# KiCad board nyx.kicad_pcb (continued)
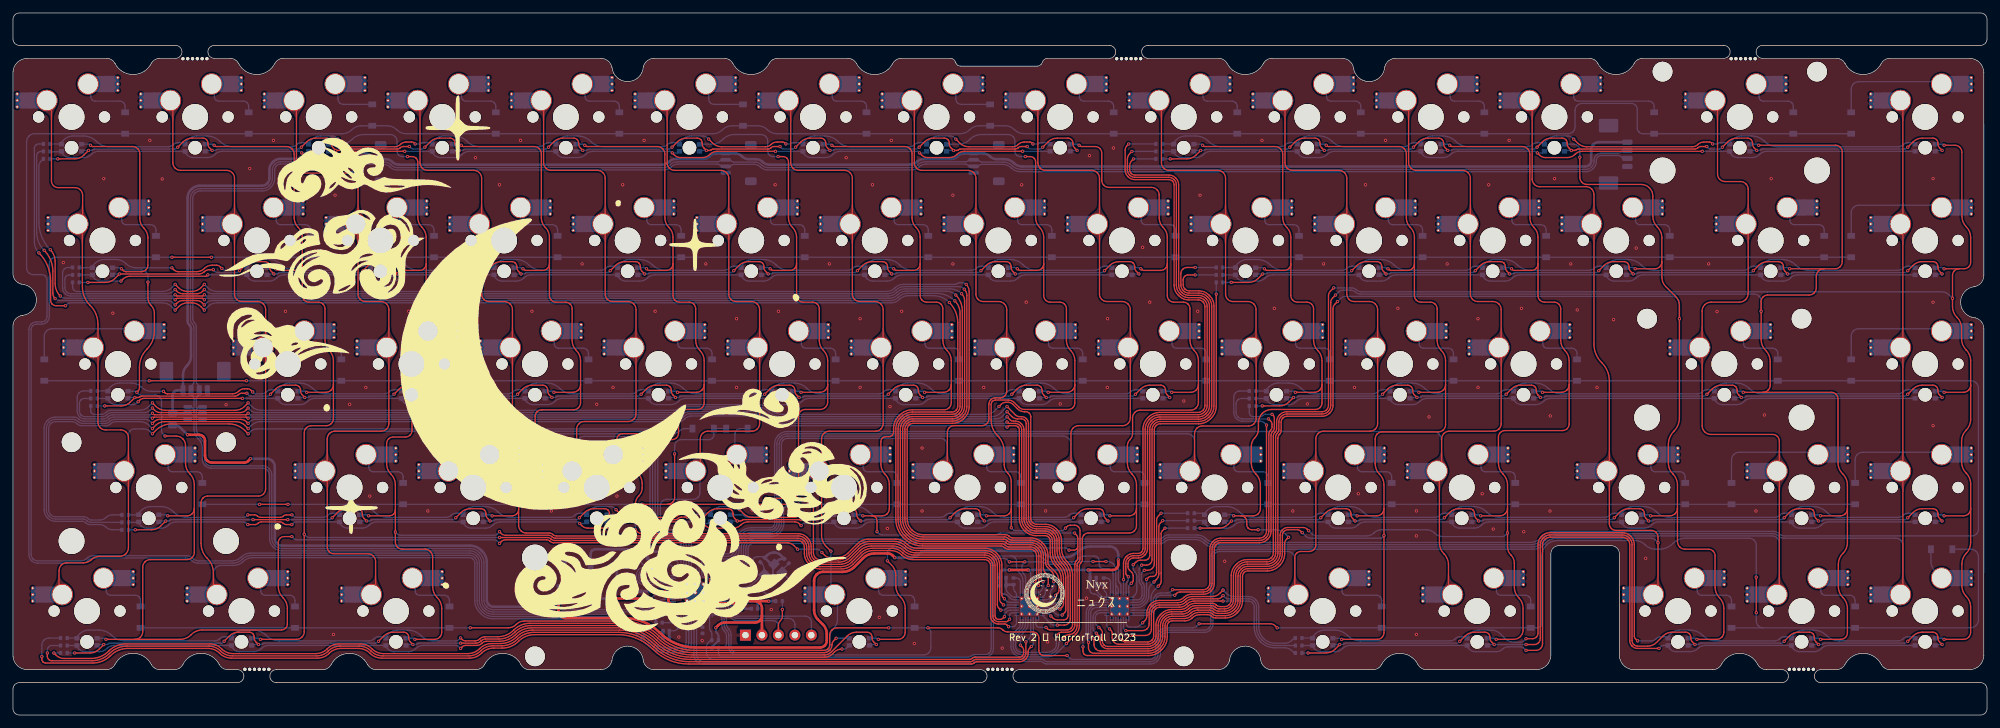
[diagram p0: board, top side]
## Footprints (pads in the part's own frame, mm; a bottom-side part is the same pattern mirrored in y, then rotated)
C_0402_1005Metric
  rrect 0.56x0.62 smd: 1(-0.48,0) 2(0.48,0)
Crystal_SMD_3225-4Pin_3.2x2.5mm
  rect 1.4x1.2 smd: 1(-1.1,-0.85) 2(1.1,-0.85) 3(1.1,0.85) 4(-1.1,0.85)
D_SOD-123
  rect 0.9x1.2 smd: 1(-1.65,0) 2(1.65,0)
Fuse_0805_2012Metric
  rrect 0.975x1.4 smd: 1(-0.938,0) 2(0.938,0)
IS31FL3729-QF
  rrect 1.26x1.26 smd: (-0.725,-0.725) (-0.725,0.725) (0.725,-0.725) (0.725,0.725)
  rrect 0.7x0.2 smd: 1(-2,1.4) 2(-2,1) 3(-2,0.6) 4(-2,0.2) 5(-2,-0.2) 6(-2,-0.6) 7(-2,-1) 8(-2,-1.4) 17(2,-1.4) 18(2,-1) 19(2,-0.6) 20(2,-0.2) 21(2,0.2) 22(2,0.6) 23(2,1) 24(2,1.4)
  rrect 0.2x0.7 smd: 9(-1.4,-2) 10(-1,-2) 11(-0.6,-2) 12(-0.2,-2) 13(0.2,-2) 14(0.6,-2) 15(1,-2) 16(1.4,-2) 25(1.4,2) 26(1,2) 27(0.6,2) 28(0.2,2) 29(-0.2,2) 30(-0.6,2) 31(-1,2) 32(-1.4,2)
  round 0.5 hole 0.2: 33(-1.2,-1.2) 33(-1.2,0) 33(-1.2,1.2) 33(0,-1.2) 33(0,0) 33(0,1.2) 33(1.2,-1.2) 33(1.2,0) 33(1.2,1.2)
  rect 2.9x2.9 smd: 33(0,0)
JST_SH_SM04B-SRSS-TB_1x04-1MP_P1.00mm_Horizontal
  rrect 0.6x1.55 smd: 1(-1.5,2) 2(-0.5,2) 3(0.5,2) 4(1.5,2)
  rrect 1.2x1.8 smd: MP(-2.8,-1.875) MP(2.8,-1.875)
LED_1206R
  round 2.1 hole 2.1 unplated: (0,0)
  rrect 0.8x0.7 smd: 1(-1.55,0.55) 2(-1.55,-0.55) 3(1.55,-0.55) 4(1.55,0.55)
Molex_PicoBlade_53261-0471_1x04-1MP_P1.25mm_Horizontal
  rrect 0.8x1.6 smd: 1(-1.875,2.4) 2(-0.625,2.4) 3(0.625,2.4) 4(1.875,2.4)
  rrect 2.1x3 smd: MP(-4.425,-0.5) MP(4.425,-0.5)
mousebites_2mm_big_width
  round 0.5 hole 0.5 unplated: (0.05,1.85) (0.05,1.11) (0.05,0.37) (0.05,-0.37) (0.05,-1.11) (0.05,-1.85)
PinHeader_1x05_P2.54mm_Vertical
  rect 1.7x1.7 hole 1: 1(0,0)
  oval 1.7x1.7 hole 1: 2(0,-2.54) 3(0,-5.08) 4(0,-7.62) 5(0,-10.16)
R_0402_1005Metric
  rrect 0.54x0.64 smd: 1(-0.51,0) 2(0.51,0)
RP2040-QFN-56
  rrect 1.084x1.084 smd: (-0.637,-0.637) (-0.637,0.637) (0.637,-0.637) (0.637,0.637)
  rrect 0.875x0.2 smd: 1(-3.438,2.6) 2(-3.438,2.2) 3(-3.438,1.8) 4(-3.438,1.4) 5(-3.438,1) 6(-3.438,0.6) 7(-3.438,0.2) 8(-3.438,-0.2) 9(-3.438,-0.6) 10(-3.438,-1) 11(-3.438,-1.4) 12(-3.438,-1.8) 13(-3.438,-2.2) 14(-3.438,-2.6) 29(3.438,-2.6) 30(3.438,-2.2) 31(3.438,-1.8) 32(3.438,-1.4) 33(3.438,-1) 34(3.438,-0.6) 35(3.438,-0.2) 36(3.438,0.2) 37(3.438,0.6) 38(3.438,1) 39(3.438,1.4) 40(3.438,1.8) 41(3.438,2.2) 42(3.438,2.6)
  rrect 0.2x0.875 smd: 15(-2.6,-3.438) 16(-2.2,-3.438) 17(-1.8,-3.438) 18(-1.4,-3.438) 19(-1,-3.438) 20(-0.6,-3.438) 21(-0.2,-3.438) 22(0.2,-3.438) 23(0.6,-3.438) 24(1,-3.438) 25(1.4,-3.438) 26(1.8,-3.438) 27(2.2,-3.438) 28(2.6,-3.438) 43(2.6,3.438) 44(2.2,3.438) 45(1.8,3.438) 46(1.4,3.438) 47(1,3.438) 48(0.6,3.438) 49(0.2,3.438) 50(-0.2,3.438) 51(-0.6,3.438) 52(-1,3.438) 53(-1.4,3.438) 54(-1.8,3.438) 55(-2.2,3.438) 56(-2.6,3.438)
  round 0.6 hole 0.35: 57(-1.275,-1.275) 57(-1.275,0) 57(-1.275,1.275) 57(0,-1.275) 57(0,0) 57(0,1.275) 57(1.275,-1.275) 57(1.275,0) 57(1.275,1.275)
  rrect 3.2x3.2 smd: 57(0,0)
SOT-23-6
  rrect 1.325x0.6 smd: 1(-1.137,0.95) 2(-1.137,0) 3(-1.137,-0.95) 4(1.137,-0.95) 5(1.137,0) 6(1.137,0.95)
STAB_MX_2.25u
  round 3.048 hole 3.048 unplated: (-11.906,6.985) (11.906,6.985)
  round 3.988 hole 3.988 unplated: (-11.906,-8.255) (11.906,-8.255)
STAB_MX_2u
  round 3.048 hole 3.048 unplated: (-11.906,6.985) (11.906,6.985)
  round 3.988 hole 3.988 unplated: (-11.906,-8.255) (11.906,-8.255)
STAB_MX_6.25u
  round 3.048 hole 3.048 unplated: (-50.006,6.985) (50.006,6.985)
  round 3.988 hole 3.988 unplated: (-50.006,-8.255) (50.006,-8.255)
SW_MX_HS_1.5u_socket
  round 1.75 hole 1.75 unplated: (-5.08,0) (5.08,0)
  round 3.988 hole 3.988 unplated: (0,0)
  round 3.3 hole 3: 1(3.81,2.54) 2(-2.54,5.08)
  rect 1.65x2.5 smd: 1(5.635,2.54) 2(-4.34,5.08)
  rrect 2.55x2.5 smd: 1(7.36,2.54) 2(-6.09,5.08)
  round 0.5 hole 0.25: 1(8.385,1.54) 1(8.385,2.54) 1(8.385,3.54) 2(-7.115,4.08) 2(-7.115,5.08) 2(-7.115,6.08)
SW_MX_HS_1.25u_socket
  round 1.75 hole 1.75 unplated: (-5.08,0) (5.08,0)
  round 3.988 hole 3.988 unplated: (0,0)
  round 3.3 hole 3: 1(3.81,2.54) 2(-2.54,5.08)
  rect 1.65x2.5 smd: 1(5.635,2.54) 2(-4.34,5.08)
  rrect 2.55x2.5 smd: 1(7.36,2.54) 2(-6.09,5.08)
  round 0.5 hole 0.25: 1(8.385,1.54) 1(8.385,2.54) 1(8.385,3.54) 2(-7.115,4.08) 2(-7.115,5.08) 2(-7.115,6.08)
SW_MX_HS_1.75u_socket
  round 1.75 hole 1.75 unplated: (-5.08,0) (5.08,0)
  round 3.988 hole 3.988 unplated: (0,0)
  round 3.3 hole 3: 1(3.81,2.54) 2(-2.54,5.08)
  rect 1.65x2.5 smd: 1(5.635,2.54) 2(-4.34,5.08)
  rrect 2.55x2.5 smd: 1(7.36,2.54) 2(-6.09,5.08)
  round 0.5 hole 0.25: 1(8.385,1.54) 1(8.385,2.54) 1(8.385,3.54) 2(-7.115,4.08) 2(-7.115,5.08) 2(-7.115,6.08)
SW_MX_HS_1u_socket
  round 1.75 hole 1.75 unplated: (-5.08,0) (5.08,0)
  round 3.988 hole 3.988 unplated: (0,0)
  round 3.3 hole 3: 1(3.81,2.54) 2(-2.54,5.08)
  rect 1.65x2.5 smd: 1(5.635,2.54) 2(-4.34,5.08)
  rrect 2.55x2.5 smd: 1(7.36,2.54) 2(-6.09,5.08)
  round 0.5 hole 0.25: 1(8.385,1.54) 1(8.385,2.54) 1(8.385,3.54) 2(-7.115,4.08) 2(-7.115,5.08) 2(-7.115,6.08)
SW_SPST_Litte_Turtle_2P
  rect 0.9x1.7 smd: 1(-2.05,0) 2(2.05,0)
USON-8_1.5x1.5mm_P0.45mm
  rrect 0.2x0.18 smd: 1(-0.65,0.6) 2(-0.65,0.2) 3(-0.65,-0.2) 4(-0.65,-0.6) 5(0.65,-0.6) 6(0.65,-0.2) 7(0.65,0.2) 8(0.65,0.6)
  round 0.5 hole 0.3: 9(0,0)
  rrect 0.7x1.3 smd: 9(0,0)
XC6206P332MR
  rect 1x0.8 smd: 1(-1.2,0.95) 2(-1.2,-0.95) 3(1.2,0)

## Nets
+1V1: C11.1 C12.1 C15.1 U3.23 U3.45 U3.50
+3V3: C2.1 C3.1 C4.1 C5.1 C6.1 C7.1 C8.1 C9.1 C10.1 C14.1 C18.1 J2.2 R3.1 R6.1 R7.1 RG1.2 U1.8 U3.1 U3.10 U3.22 U3.33 U3.42 U3.43 U3.44 U3.48 U3.49
+5V: C16.1 C17.1 C19.1 C20.1 C21.1 F1.2 RG1.3 U2.23 U2.29 U4.23 U4.29
GND: C1.2 C2.2 C3.2 C4.2 C5.2 C6.2 C7.2 C8.2 C9.2 C10.2 C11.2 C12.2 C13.2 C14.2 C15.2 C16.2 C17.2 C18.2 C19.2 C20.2 C21.2 ESD1.2 J1.4 J2.1 J3.4 J4.1 J5.4 J6.4 R8.2 R9.2 RG1.1 SW1.1 U1.4 U1.9 U2.9 U2.24 U2.28 U2.33 U3.19 U3.57 U4.9 U4.24 U4.33 Y1.2 Y1.4
VBUS: ESD1.5 F1.1 J1.1 J3.1 J4.4 J5.1 J6.1
/DM: ESD1.6 J1.2 J3.2 J4.3 J5.2 J6.2 R5.2
/DP: ESD1.1 J1.3 J3.3 J4.2 J5.3 J6.3 R4.2
/~{USB_BOOT}: R2.1 SW1.2
Col0: MX1.1 MX16.1 MX31.1 MX45.1 MX59.1 U3.5
Col1: MX2.1 MX17.1 MX32.1 MX60.1 U3.37
Col2: MX3.1 MX18.1 MX33.1 MX46.1 MX61.1 U3.4
Col3: MX4.1 MX19.1 MX34.1 MX47.1 U3.3
Col4: MX5.1 MX20.1 MX35.1 MX48.1 U3.2
Col5: MX6.1 MX21.1 MX36.1 MX49.1 U3.6
Col6: MX7.1 MX22.1 MX37.1 MX50.1 MX62.1 U3.27
Col7: MX8.1 MX23.1 MX38.1 MX51.1 U3.14
Col8: MX9.1 MX24.1 MX39.1 MX52.1 U3.13
Col9: MX10.1 MX25.1 MX40.1 MX53.1 U3.12
Col10: MX11.1 MX26.1 MX41.1 MX54.1 MX63.1 U3.36
Col11: MX12.1 MX27.1 MX42.1 MX55.1 MX64.1 U3.11
Col12: MX13.1 MX28.1 MX56.1 MX65.1 U3.35
Col13: MX14.1 MX29.1 MX43.1 MX57.1 MX66.1 U3.18
Col14: MX15.1 MX30.1 MX44.1 MX58.1 MX67.1 U3.17
CS1_1: R12.1 U2.30
CS1_2: R27.1 U4.30
CS2_1: R11.1 U2.31
CS2_2: R26.1 U4.31
CS3_1: R10.1 U2.32
CS3_2: R25.1 U4.32
CS4_1: R15.1 U2.1
CS4_2: R30.1 U4.1
CS5_1: R14.1 U2.2
CS5_2: R29.1 U4.2
CS6_1: R13.1 U2.3
CS6_2: R28.1 U4.3
CS7_1: R21.1 U2.4
CS7_2: R36.1 U4.4
CS8_1: R20.1 U2.5
CS8_2: R35.1 U4.5
CS9_1: R19.1 U2.6
CS9_2: R34.1 U4.6
CS10_1: R18.1 U2.7
CS10_2: R33.1 U4.7
CS11_1: R17.1 U2.8
CS11_2: R32.1 U4.8
CS12_1: R16.1 U2.10
CS12_2: R31.1 U4.10
CS13_1: R24.1 U2.11
CS13_2: R39.1 U4.11
CS14_1: R23.1 U2.12
CS14_2: R38.1 U4.12
CS15_1: R22.1 U2.13
CS15_2: R37.1 U4.13
D+: R4.1 U3.47
D-: R5.1 U3.46
FLASH_nCS: R2.2 U1.1 U3.56
FLASH_SCK: U1.6 U3.52
FLASH_SD0: U1.5 U3.53
FLASH_SD1: U1.2 U3.55
FLASH_SD2: U1.3 U3.54
FLASH_SD3: U1.7 U3.51
Row0: D1.1 D2.1 D3.1 D4.1 D5.1 D6.1 D7.1 D8.1 D9.1 D10.1 D11.1 D12.1 D13.1 D14.1 D15.1 U3.38
Row1: D16.1 D17.1 D18.1 D19.1 D20.1 D21.1 D22.1 D23.1 D24.1 D25.1 D26.1 D27.1 D28.1 D29.1 D30.1 U3.39
Row2: D31.1 D32.1 D33.1 D34.1 D35.1 D36.1 D37.1 D38.1 D39.1 D40.1 D41.1 D42.1 D43.1 D44.1 U3.16
Row3: D45.1 D46.1 D47.1 D48.1 D49.1 D50.1 D51.1 D52.1 D53.1 D54.1 D55.1 D56.1 D57.1 D58.1 U3.15
Row4: D59.1 D60.1 D61.1 D62.1 D63.1 D64.1 D65.1 D66.1 D67.1 U3.28
SCL: R6.2 U2.27 U3.30 U4.27 U4.28
SDA: R7.2 U2.26 U3.29 U4.26
SW1_1: LED1.1 LED16.1 LED31.1 LED45.1 LED59.1 U2.22
SW1_2: LED10.1 LED25.1 LED40.1 LED53.1 U4.22
SW2_1: LED6.1 LED21.1 LED36.1 LED49.1 U2.21
SW2_2: LED11.1 LED26.1 LED41.1 LED54.1 LED63.1 U4.21
SW3_1: LED5.1 LED20.1 LED35.1 LED48.1 U2.20
SW3_2: LED12.1 LED27.1 LED42.1 LED55.1 LED64.1 U4.20
SW4_1: LED4.1 LED19.1 LED34.1 LED47.1 U2.19
SW4_2: LED13.1 LED28.1 LED56.1 LED65.1 U4.19
SW5_1: LED3.1 LED18.1 LED33.1 LED46.1 LED61.1 U2.18
SW5_2: LED14.1 LED29.1 LED43.1 LED57.1 LED66.1 U4.18
SW6_1: LED2.1 LED17.1 LED32.1 LED60.1 U2.17
SW6_2: LED15.1 LED30.1 LED44.1 LED58.1 LED67.1 U4.17
SW7_1: LED9.1 LED24.1 LED39.1 LED52.1 U2.16
SW8_1: LED8.1 LED23.1 LED38.1 LED51.1 U2.15
SW9_1: LED7.1 LED22.1 LED37.1 LED50.1 LED62.1 U2.14
SWCLK: J2.5 U3.24
SWDIO: J2.4 U3.25
XTAL1: C1.1 U3.20 Y1.3
XTAL2: R1.1 U3.21
~{NRST}: J2.3 R3.2 U3.26
Net-(C13-Pad1): C13.1 R1.2 Y1.1
Net-(D1-A): D1.2 MX1.2
Net-(D2-A): D2.2 MX2.2
Net-(D3-A): D3.2 MX3.2
Net-(D4-A): D4.2 MX4.2
Net-(D5-A): D5.2 MX5.2
Net-(D6-A): D6.2 MX6.2
Net-(D7-A): D7.2 MX7.2
Net-(D8-A): D8.2 MX8.2
Net-(D9-A): D9.2 MX9.2
Net-(D10-A): D10.2 MX10.2
Net-(D11-A): D11.2 MX11.2
Net-(D12-A): D12.2 MX12.2
Net-(D13-A): D13.2 MX13.2
Net-(D14-A): D14.2 MX14.2
Net-(D15-A): D15.2 MX15.2
Net-(D16-A): D16.2 MX16.2
Net-(D17-A): D17.2 MX17.2
Net-(D18-A): D18.2 MX18.2
Net-(D19-A): D19.2 MX19.2
Net-(D20-A): D20.2 MX20.2
Net-(D21-A): D21.2 MX21.2
Net-(D22-A): D22.2 MX22.2
Net-(D23-A): D23.2 MX23.2
Net-(D24-A): D24.2 MX24.2
Net-(D25-A): D25.2 MX25.2
Net-(D26-A): D26.2 MX26.2
Net-(D27-A): D27.2 MX27.2
Net-(D28-A): D28.2 MX28.2
Net-(D29-A): D29.2 MX29.2
Net-(D30-A): D30.2 MX30.2
Net-(D31-A): D31.2 MX31.2
Net-(D32-A): D32.2 MX32.2
Net-(D33-A): D33.2 MX33.2
Net-(D34-A): D34.2 MX34.2
Net-(D35-A): D35.2 MX35.2
Net-(D36-A): D36.2 MX36.2
Net-(D37-A): D37.2 MX37.2
Net-(D38-A): D38.2 MX38.2
Net-(D39-A): D39.2 MX39.2
Net-(D40-A): D40.2 MX40.2
Net-(D41-A): D41.2 MX41.2
Net-(D42-A): D42.2 MX42.2
Net-(D43-A): D43.2 MX43.2
Net-(D44-A): D44.2 MX44.2
Net-(D45-A): D45.2 MX45.2
Net-(D46-A): D46.2 MX46.2
Net-(D47-A): D47.2 MX47.2
Net-(D48-A): D48.2 MX48.2
Net-(D49-A): D49.2 MX49.2
Net-(D50-A): D50.2 MX50.2
Net-(D51-A): D51.2 MX51.2
Net-(D52-A): D52.2 MX52.2
Net-(D53-A): D53.2 MX53.2
Net-(D54-A): D54.2 MX54.2
Net-(D55-A): D55.2 MX55.2
Net-(D56-A): D56.2 MX56.2
Net-(D57-A): D57.2 MX57.2
Net-(D58-A): D58.2 MX58.2
Net-(D59-A): D59.2 MX59.2
Net-(D60-A): D60.2 MX60.2
Net-(D61-A): D61.2 MX61.2
Net-(D62-A): D62.2 MX62.2
Net-(D63-A): D63.2 MX63.2
Net-(D64-A): D64.2 MX64.2
Net-(D65-A): D65.2 MX65.2
Net-(D66-A): D66.2 MX66.2
Net-(D67-A): D67.2 MX67.2
Net-(LED1-BK): LED1.2 LED2.2 LED3.2 LED4.2 LED5.2 LED6.2 LED7.2 LED8.2 LED9.2 R10.2
Net-(LED1-GK): LED1.3 LED2.3 LED3.3 LED4.3 LED5.3 LED6.3 LED7.3 LED8.3 LED9.3 R11.2
Net-(LED1-RK): LED1.4 LED2.4 LED3.4 LED4.4 LED5.4 LED6.4 LED7.4 LED8.4 LED9.4 R12.2
Net-(LED10-BK): LED10.2 LED11.2 LED12.2 LED13.2 LED14.2 LED15.2 R25.2
Net-(LED10-GK): LED10.3 LED11.3 LED12.3 LED13.3 LED14.3 LED15.3 R26.2
Net-(LED10-RK): LED10.4 LED11.4 LED12.4 LED13.4 LED14.4 LED15.4 R27.2
Net-(LED16-BK): LED16.2 LED17.2 LED18.2 LED19.2 LED20.2 LED21.2 LED22.2 LED23.2 LED24.2 R13.2
Net-(LED16-GK): LED16.3 LED17.3 LED18.3 LED19.3 LED20.3 LED21.3 LED22.3 LED23.3 LED24.3 R14.2
Net-(LED16-RK): LED16.4 LED17.4 LED18.4 LED19.4 LED20.4 LED21.4 LED22.4 LED23.4 LED24.4 R15.2
Net-(LED25-BK): LED25.2 LED26.2 LED27.2 LED28.2 LED29.2 LED30.2 R28.2
Net-(LED25-GK): LED25.3 LED26.3 LED27.3 LED28.3 LED29.3 LED30.3 R29.2
Net-(LED25-RK): LED25.4 LED26.4 LED27.4 LED28.4 LED29.4 LED30.4 R30.2
Net-(LED31-BK): LED31.2 LED32.2 LED33.2 LED34.2 LED35.2 LED36.2 LED37.2 LED38.2 LED39.2 R16.2
Net-(LED31-GK): LED31.3 LED32.3 LED33.3 LED34.3 LED35.3 LED36.3 LED37.3 LED38.3 LED39.3 R17.2
Net-(LED31-RK): LED31.4 LED32.4 LED33.4 LED34.4 LED35.4 LED36.4 LED37.4 LED38.4 LED39.4 R18.2
Net-(LED40-BK): LED40.2 LED41.2 LED42.2 LED43.2 LED44.2 R31.2
Net-(LED40-GK): LED40.3 LED41.3 LED42.3 LED43.3 LED44.3 R32.2
Net-(LED40-RK): LED40.4 LED41.4 LED42.4 LED43.4 LED44.4 R33.2
Net-(LED45-BK): LED45.2 LED46.2 LED47.2 LED48.2 LED49.2 LED50.2 LED51.2 LED52.2 R19.2
Net-(LED45-GK): LED45.3 LED46.3 LED47.3 LED48.3 LED49.3 LED50.3 LED51.3 LED52.3 R20.2
Net-(LED45-RK): LED45.4 LED46.4 LED47.4 LED48.4 LED49.4 LED50.4 LED51.4 LED52.4 R21.2
Net-(LED53-BK): LED53.2 LED54.2 LED55.2 LED56.2 LED57.2 LED58.2 R34.2
Net-(LED53-GK): LED53.3 LED54.3 LED55.3 LED56.3 LED57.3 LED58.3 R35.2
Net-(LED53-RK): LED53.4 LED54.4 LED55.4 LED56.4 LED57.4 LED58.4 R36.2
Net-(LED59-BK): LED59.2 LED60.2 LED61.2 LED62.2 R22.2
Net-(LED59-GK): LED59.3 LED60.3 LED61.3 LED62.3 R23.2
Net-(LED59-RK): LED59.4 LED60.4 LED61.4 LED62.4 R24.2
Net-(LED63-BK): LED63.2 LED64.2 LED65.2 LED66.2 LED67.2 R37.2
Net-(LED63-GK): LED63.3 LED64.3 LED65.3 LED66.3 LED67.3 R38.2
Net-(LED63-RK): LED63.4 LED64.4 LED65.4 LED66.4 LED67.4 R39.2
Net-(U2-ISET): R9.1 U2.25
Net-(U4-ISET): R8.1 U4.25

Pads without a net: ESD1 3 4; J1 MP; J3 MP; J4 MP; J5 MP; J6 MP; U3 7 8 9 31 32 34 40 41; U4 14 15 16

## Via types
v1: diameter 0.5, hole 0.25, Top to Bottom, 555 vias

## Routing (per net, layer and track width the routed paths; a pad name or vN(x,y) marks a point on that pad's centre or on a via; arc(x,y) is an arc through that point)
+1V1: length 27.7
  Top w0.4: v1(107.33,16.85) 107.59,17.11 arc(107.75,17.22) 107.95,17.25 110.87,17.25 arc(111.44,17.14) 111.92,16.82 v1(112.33,16.4) ; v1(102.89,17.08) 101.65,17.08 arc(101.42,17.13) 101.23,17.26 101.21,17.27 arc(101.08,17.47) 101.03,17.7 101.03,18.33 arc(100.98,18.61) 100.82,18.86 100.81,18.87 arc(100.56,19.03) 100.28,19.08 v1(98.4,19.08)
  Bottom w0.2: v1(112.33,16.4) 112.56,16.4 arc(112.08,16.5) 111.66,16.78 arc(111.49,17.03) 111.43,17.32 arc(111.36,17.67) 111.17,17.97 arc(110.82,18.2) 110.41,18.28 U3.23 ; 102.85,17.08 102.86,17.08 v1(102.89,17.08) 102.85,17.08 U3.45 101.31,17.08 arc(100.85,16.99) 100.46,16.73 100.43,16.7 arc(100.17,16.31) 100.08,15.86 C15.1 ; U3.50 v1(98.4,19.08)
  Bottom w0.4: 106.29,16.86 107.32,16.86 v1(107.33,16.85) ; C12.1 v1(98.4,19.08) ; v1(112.33,16.4) 113.56,16.4
+3V3: length 83.7
  Top w0.4: v1(92,17.97) v1(98.4,17.97) ; 115.46,15.3 115.46,16.47 arc(115.38,16.89) 115.14,17.25 115.14,17.25 arc(114.78,17.49) 114.36,17.57 ; 115.46,15.3 J2.2 ; 115.46,15.3 arc(115.38,14.91) 115.17,14.59 115.14,14.57 arc(114.82,14.35) 114.44,14.27 109.77,14.27 arc(109.2,14.16) 108.71,13.83 v1(108.35,13.47) ; 114.36,17.57 v1(116.5,17.57) ; 114.36,17.57 v1(112.8,17.57) ; v1(107.5,18.97) v1(107.5,20.87)
  Bottom w0.18: U1.8 97.32,23.17 arc(97.16,23.2) 97.03,23.29 97.01,23.32 arc(96.92,23.44) 96.89,23.6 C2.1
  Bottom w0.2: 100.65,18.68 100.83,18.5 arc(101.07,18.34) 101.36,18.28 U3.48 U3.49 100.65,18.68 ; 100.65,18.68 99.65,18.68 arc(99.15,18.59) 98.73,18.3 v1(98.4,17.97) ; 101.08,14.25 C14.1 ; 101.08,14.25 101.98,14.25 arc(102.22,14.3) 102.42,14.43 arc(102.54,14.62) 102.58,14.84 ; 101.08,14.25 arc(101.32,14.3) 101.52,14.43 arc(101.69,14.69) 101.75,14.99 U3.43 ; U3.43 U3.42 102.58,14.84 ; U3.43 U3.44 ; 102.58,21.39 102.58,23.09 arc(102.51,23.48) 102.29,23.8 C3.1 ; v1(107.5,20.87) 107.27,21.1 arc(107.19,21.15) 107.1,21.17 106.71,21.17 arc(106.52,21.21) 106.35,21.32 106.33,21.34 arc(106.22,21.5) 106.18,21.69 106.18,24.11 arc(106.34,24.88) 106.77,25.53 C4.1 ; U3.33 106.18,13.67 C7.1 ; C8.1 101.88,13 arc(102.15,13.06) 102.37,13.21 102.38,13.21 arc(102.53,13.44) 102.58,13.71 102.58,14.84 ; v1(112.8,17.57) 112.31,17.57 arc(112.12,17.61) 111.95,17.72 111.95,17.73 arc(111.84,17.89) 111.8,18.08 111.8,18.17 arc(111.76,18.36) 111.65,18.52 111.63,18.54 arc(111.47,18.65) 111.28,18.68 107.89,18.68 arc(107.8,18.7) 107.71,18.76 v1(107.5,18.97)
  Bottom w0.3: v1(108.35,13.47) 108.35,13.09 arc(108.4,12.84) 108.54,12.63 108.57,12.6 arc(108.71,12.39) 108.76,12.14 R6.1 108.76,11.48 107.74,10.46 R7.1
  Bottom w0.4: RG1.2 C18.1 v1(92,17.97) 92.51,18.49 arc(92.95,19.14) 93.1,19.9 93.1,23.16 arc(93.18,23.54) 93.39,23.87 93.41,23.88 arc(93.73,24.1) 94.11,24.17 C2.1 ; C10.1 v1(98.4,17.97) ; C4.1 C5.1 ; v1(116.5,17.57) R3.1 ; C9.1 C8.1 ; v1(112.8,17.57) C6.1
+5V: length 234.8
  Top w0.4: v1(84.1,17.47) 84.1,15.99 arc(84.18,15.6) 84.39,15.28 84.43,15.24 arc(84.76,15.02) 85.14,14.95 94.27,14.95 arc(97.22,14.36) 99.72,12.69 99.73,12.67 arc(102.23,11.01) 105.18,10.42 124.43,10.42 arc(124.82,10.5) 125.14,10.71 125.16,10.73 arc(125.37,11.05) 125.45,11.44 125.45,12.54 arc(125.3,13.31) 124.87,13.96 124.09,14.74 arc(123.65,15.39) 123.5,16.15 123.5,20.71 arc(123.6,21.23) 123.9,21.67 123.92,21.69 arc(124.36,21.98) 124.87,22.09 127.91,22.09 arc(128.87,22.28) 129.68,22.82 131.05,24.19 arc(131.86,24.73) 132.82,24.92 134.89,24.92 arc(135.27,24.84) 135.6,24.63 v1(135.95,24.27) ; v1(26.9,43.22) 28.68,43.22 arc(29.02,43.15) 29.31,42.96 29.34,42.94 arc(29.53,42.64) 29.6,42.3 29.6,40.03 arc(29.68,39.61) 29.92,39.25 29.93,39.24 arc(30.28,39.01) 30.71,38.92 35.67,38.92 arc(35.97,38.98) 36.23,39.16 v1(36.6,39.52) ; v1(165.75,22.37) 169.55,22.37 arc(169.87,22.44) 170.15,22.62 170.15,22.62 arc(170.34,22.9) 170.4,23.22 v1(170.4,23.92) ; v1(153.6,22.37) v1(156.5,22.37)
  Bottom w0.2: v1(170.4,23.92) 170.4,20.84 arc(170.45,20.59) 170.59,20.38 170.61,20.36 arc(170.75,20.15) 170.8,19.9 U4.29 ; U2.23 154.31,17.77 arc(154.02,17.83) 153.78,17.99 153.32,18.45 arc(153.08,18.62) 152.79,18.67 152.75,18.67 arc(152.52,18.72) 152.32,18.85 152.32,18.86 arc(152.19,19.05) 152.14,19.28 C19.1 ; U2.29 156.9,21.77 arc(156.86,21.96) 156.75,22.12 v1(156.5,22.37) ; C21.1 166.04,19.28 arc(166.09,19.05) 166.22,18.86 166.22,18.85 arc(166.42,18.72) 166.65,18.67 166.69,18.67 arc(166.98,18.62) 167.22,18.45 167.68,17.99 arc(167.92,17.83) 168.21,17.77 U4.23
  Bottom w0.4: C19.1 C16.1 152.14,21.81 arc(152.18,22) 152.29,22.16 152.35,22.23 arc(152.52,22.33) 152.71,22.37 v1(153.6,22.37) ; F1.2 24.8,44.7 arc(25.38,44.58) 25.86,44.26 v1(26.9,43.22) ; v1(156.5,22.37) v1(165.75,22.37) 165.97,22.16 arc(166.02,22.07) 166.04,21.98 C20.1 C21.1 ; v1(170.4,23.92) 170.4,24.68 arc(170.3,25.18) 170.02,25.6 170.01,25.61 arc(169.59,25.9) 169.09,26 166.15,26 arc(165.06,25.78) 164.14,25.16 164.13,25.16 arc(163.21,24.54) 162.12,24.32 160.3,24.32 arc(159.65,24.45) 159.1,24.82 159.1,24.82 arc(158.55,25.19) 157.9,25.32 140.88,25.32 arc(140.21,25.19) 139.64,24.81 139.61,24.78 arc(139.04,24.41) 138.38,24.27 v1(135.95,24.27) ; v1(36.6,39.52) 39.15,39.52 arc(39.61,39.43) 40,39.17 arc(40.26,38.78) 40.35,38.32 40.35,27.28 arc(40.44,26.84) 40.69,26.47 40.7,26.46 arc(41.07,26.21) 41.51,26.12 70.5,26.12 arc(71.4,25.94) 72.16,25.43 72.36,25.24 arc(72.87,24.47) 73.05,23.57 73.05,17.76 arc(73.13,17.36) 73.35,17.02 73.37,17 arc(73.71,16.78) 74.11,16.7 82.91,16.7 arc(83.29,16.77) 83.62,16.99 v1(84.1,17.47) C17.1 RG1.3
GND: length 50.7
  Bottom w0.18: U1.4 99,21.97 arc(98.91,21.99) 98.83,22.05 98.5,22.37 U1.9 98.5,23.11 arc(98.42,23.49) 98.21,23.82 C2.2
  Bottom w0.2: C1.2 115.8,24.35 arc(115.72,24.4) 115.63,24.42 114.72,24.42 arc(114.47,24.37) 114.26,24.23 114.24,24.21 arc(114.1,24) 114.05,23.75 114.05,22.85 arc(113.9,22.09) 113.46,21.44 112.79,20.76 arc(111.82,20.11) 110.67,19.88 U3.19 107.11,19.88 arc(106.76,19.95) 106.47,20.15 U3.57 ; U2.9 158.1,15.1 arc(158.05,15.35) 157.91,15.56 U2.33 ; C21.2 167,19.48 arc(167.06,19.19) 167.22,18.95 167.77,18.39 arc(168.02,18.23) 168.3,18.17 U4.24 ; U2.24 155.03,18.17 arc(155.28,18.12) 155.49,17.98 U2.33 ; U2.24 154.4,18.17 arc(154.12,18.23) 153.87,18.39 153.32,18.95 arc(153.16,19.19) 153.1,19.48 C19.2 ; U2.24 154.7,18.51 arc(154.64,18.8) 154.48,19.04 154.47,19.05 arc(154.31,19.3) 154.25,19.58 R9.2 ; U4.9 172,15.1 arc(171.95,15.35) 171.81,15.56 U4.33 ; U4.24 168.6,18.51 arc(168.54,18.8) 168.38,19.04 168.37,19.05 arc(168.21,19.3) 168.15,19.58 R8.2 ; U4.24 168.93,18.17 arc(169.18,18.12) 169.39,17.98 U4.33 ; U2.28 156.5,18.44 arc(156.55,18.19) 156.69,17.98 U2.33
  Bottom w0.3: Y1.2 117.15,20.67 117.15,23.07 ; C21.2 167,20.09 ; C19.2 153.1,20.09
  Bottom w0.4: C11.2 C6.2 ; R9.2 153.24,20.11 C19.2 C16.2 ; C8.2 C9.2 ; C15.2 C14.2 ; C20.2 C21.2 167.14,20.11 R8.2 ; C4.2 C5.2 ; RG1.1 88.45,19.87 arc(88.74,19.82) 88.98,19.65 C18.2 ; 116.9,23.25 C1.2 116.26,24.63 arc(116.75,24.96) 117.32,25.07 117.33,25.07 arc(117.88,24.96) 118.36,24.65 C13.2 118.57,24.08 arc(118.18,24) 117.86,23.78 Y1.4 116.9,23.25
  vias: v1(7.75,69.77) v1(14,82.72) v1(15.4,61.97) v1(21.1,88.62) v1(23,82.67) v1(32.85,47.87) v1(36.5,84.27) v1(40.15,88.62) v1(42,62.27) v1(49.4,12.42) v1(49.65,80.17) v1(49.65,69.57) v1(51.9,47.92) v1(54.4,50.52) v1(55,33.77) v1(59.8,72.17) v1(61,62.27) v1(63.95,31.47) v1(68.7,69.57) v1(70.95,47.92) v1(71.3,85.95) v1(73.45,50.52) v1(74.05,33.77) v1(75,81.77) v1(78.25,88.62) v1(80,62.27) v1(83,31.47) v1(87.75,69.57) v1(90,47.92) v1(92.5,50.52) v1(93.1,33.77) v1(94,81.77) v1(94.65,20.27) v1(97.3,88.62) v1(99,62.27) v1(102.65,12.02) v1(106.25,11.47) v1(106.8,69.57) v1(111.55,61.12) v1(111.55,50.52) v1(112.2,33.97) v1(113.95,31.62) v1(116.9,16.27) v1(117.5,81.77) v1(118,62.27) v1(120,31.47) v1(125.85,69.57) v1(128.45,85.95) v1(130.6,61.12) v1(130.6,50.52) v1(131.3,33.87) v1(132.5,81.77) v1(133.55,15.07) v1(134.8,28.77) v1(135.2,47.57) v1(135.4,88.62) v1(137,62.27) v1(138.95,11.02) v1(140.15,41.17) v1(140.15,31.47) v1(144.9,80.17) v1(144.9,69.57) v1(149.65,50.52) v1(152.5,10.32) v1(155.5,81.77) v1(156.2,63.67) v1(159.2,31.47) v1(159.5,11.27) v1(161.45,47.97) v1(165.5,18.02) v1(165.95,86.27) v1(168.7,50.52) v1(168.75,61.12) v1(169.65,87.45) v1(174.15,72.12) v1(175.25,63.67) v1(180.5,48.42) v1(182.65,62.27) v1(183,80.17) v1(186.8,23.72) v1(192.55,88.62) v1(194.45,62.72) v1(197.3,31.47) v1(199.55,47.97) v1(202.05,69.57) v1(206.8,50.52) v1(207.4,34.12) v1(208.5,81.77) v1(211.6,88.62) v1(213.5,62.72) v1(216.35,31.47) v1(216.35,27.62) v1(216.35,12.42) v1(218.3,45.97) v1(221.1,69.57) v1(225.85,61.12) v1(225.85,50.52) v1(226.5,34.12) v1(227.5,81.77) v1(228.2,28.67) v1(230.65,88.62) v1(232.55,62.72) v1(232.9,28.27) v1(236.95,31.47) v1(237,46.12) v1(237.65,82.72) v1(240.15,69.57) v1(241.15,62.47) v1(244.2,50.52) v1(246.75,60.97) v1(250.25,72.02) v1(251.7,24.17) v1(261.4,69.57) v1(262.7,62.22) v1(268.7,31.47) v1(270,46.27) v1(271.05,82.72) v1(296,82.72) v1(296,63.67) v1(296,44.62)
VBUS: length 268.8
  Bottom w0.4: J4.4 244.45,88.35 arc(244.01,88.26) 243.64,88.01 243.64,88.01 arc(243.39,87.64) 243.3,87.2 243.3,85.45 arc(243.24,85.13) 243.05,84.85 243.04,84.85 arc(242.77,84.66) 242.44,84.6 155.59,84.6 arc(154.87,84.74) 154.25,85.15 154.24,85.17 arc(153.62,85.58) 152.89,85.72 151.67,85.72 arc(151.1,85.84) 150.61,86.16 150.59,86.18 arc(150.1,86.51) 149.53,86.62 J6.1 146.61,86.62 arc(146.09,86.52) 145.65,86.23 145.59,86.17 arc(145.16,85.87) 144.64,85.77 140.45,85.77 arc(139.87,85.66) 139.38,85.33 139.36,85.31 arc(138.88,84.99) 138.3,84.87 116.6,84.87 arc(116.05,84.98) 115.58,85.3 arc(115.1,85.61) 114.55,85.72 113.45,85.72 arc(112.87,85.84) 112.39,86.16 112.36,86.18 arc(111.88,86.51) 111.3,86.62 J5.1 108.38,86.62 arc(107.87,86.52) 107.43,86.23 107.37,86.17 arc(106.93,85.87) 106.41,85.77 102.22,85.77 arc(101.65,85.66) 101.16,85.33 101.14,85.31 arc(100.65,84.99) 100.08,84.87 59.48,84.87 arc(58.95,84.98) 58.49,85.28 58.46,85.31 arc(58.01,85.62) 57.47,85.72 56.37,85.72 arc(55.8,85.84) 55.31,86.16 55.29,86.18 arc(54.8,86.51) 54.23,86.62 J3.1 51.31,86.62 arc(50.79,86.52) 50.35,86.23 50.29,86.17 arc(49.86,85.87) 49.34,85.77 41.18,85.77 arc(40.6,85.66) 40.12,85.33 39.98,85.19 arc(39.65,84.71) 39.54,84.13 39.54,82.79 arc(39.45,82.35) 39.2,81.97 39.19,81.96 arc(38.82,81.72) 38.38,81.63 28.78,81.63 arc(28.11,81.49) 27.54,81.12 27.43,81 arc(27.05,80.43) 26.92,79.76 26.92,60.8 arc(26.98,60.46) 27.18,60.16 27.19,60.16 arc(27.38,59.86) 27.45,59.52 27.45,55.33 arc(27.3,54.57) 26.86,53.92 26.8,53.85 arc(26.36,53.2) 26.21,52.43 J1.1 25.37,50.08 arc(25.08,50.02) 24.84,49.86 24.82,49.84 arc(24.66,49.6) 24.6,49.31 F1.1 ESD1.5
/DM: length 358.1
  Bottom w0.2: 27.91,46.88 27.91,44.15 arc(28.08,43.33) 28.54,42.63 28.57,42.6 arc(29.04,41.9) 29.2,41.08 29.2,39.41 arc(29.3,38.91) 29.58,38.49 29.62,38.45 arc(30.04,38.17) 30.54,38.07 38.47,38.07 arc(38.87,37.99) 39.21,37.76 39.25,37.73 arc(39.48,37.39) 39.56,36.99 39.56,27.2 arc(39.69,26.53) 40.07,25.96 40.19,25.83 arc(40.76,25.46) 41.43,25.32 70.42,25.32 arc(71.09,25.19) 71.65,24.81 71.73,24.73 arc(72.11,24.16) 72.25,23.49 72.25,17.68 arc(72.37,17.04) 72.73,16.51 72.86,16.38 arc(73.39,16.02) 74.03,15.9 95.19,15.9 arc(95.38,15.86) 95.55,15.75 R5.2 ; 27.91,46.88 27.91,48.71 arc(27.87,48.94) 27.74,49.14 27.46,49.41 J1.2 27.46,50.73 27.72,51 arc(27.85,51.19) 27.9,51.42 27.9,59.71 arc(27.83,60.05) 27.64,60.34 27.63,60.35 arc(27.43,60.64) 27.36,60.99 27.36,79.69 arc(27.48,80.25) 27.79,80.72 27.82,80.75 arc(28.3,81.07) 28.85,81.18 38.44,81.18 arc(39,81.29) 39.47,81.6 39.56,81.7 arc(39.88,82.17) 39.99,82.73 39.99,84.07 arc(40.08,84.53) 40.34,84.92 40.39,84.97 arc(40.78,85.23) 41.24,85.32 51.53,85.32 arc(51.78,85.37) 51.99,85.51 52.1,85.62 J3.2 53.5,85.62 53.66,85.46 arc(53.87,85.32) 54.12,85.27 57.28,85.27 arc(57.82,85.17) 58.27,84.86 58.3,84.83 arc(58.76,84.53) 59.29,84.42 100.26,84.42 arc(100.84,84.54) 101.32,84.86 101.35,84.88 arc(101.83,85.21) 102.41,85.32 108.61,85.32 arc(108.85,85.37) 109.06,85.51 109.18,85.62 J5.2 110.58,85.62 110.73,85.46 arc(110.95,85.32) 111.19,85.27 114.36,85.27 arc(114.92,85.16) 115.39,84.85 115.39,84.85 arc(115.86,84.53) 116.42,84.42 138.49,84.42 arc(139.06,84.54) 139.55,84.86 139.57,84.88 arc(140.06,85.21) 140.63,85.32 146.83,85.32 arc(147.08,85.37) 147.29,85.51 147.4,85.62 J6.2 148.8,85.62 148.96,85.46 arc(149.17,85.32) 149.42,85.27 152.71,85.27 arc(153.44,85.13) 154.05,84.72 154.06,84.7 arc(154.68,84.29) 155.41,84.15 242.5,84.15 arc(242.94,84.24) 243.32,84.48 243.41,84.58 arc(243.66,84.95) 243.75,85.39 243.75,85.6 arc(243.83,85.98) 244.04,86.31 244.09,86.35 arc(244.41,86.57) 244.79,86.65 247.46,86.65 arc(247.7,86.7) 247.91,86.84 248.18,87.1 J4.3 ; 27.91,46.88 arc(27.87,47.11) 27.74,47.3 27.52,47.52 ESD1.6
/DP: length 357
  Bottom w0.2: R4.2 95.82,16.62 95.6,16.39 arc(95.43,16.28) 95.24,16.25 74.05,16.25 arc(73.53,16.35) 73.09,16.64 72.99,16.74 arc(72.7,17.18) 72.6,17.7 72.6,23.51 arc(72.44,24.3) 72,24.96 71.89,25.07 arc(71.22,25.52) 70.44,25.67 41.45,25.67 arc(40.9,25.78) 40.43,26.1 40.33,26.19 arc(40.02,26.66) 39.9,27.22 39.9,37.01 arc(39.8,37.53) 39.51,37.96 39.45,38.03 arc(39.01,38.32) 38.49,38.42 30.56,38.42 arc(30.18,38.5) 29.85,38.71 29.84,38.72 arc(29.63,39.05) 29.55,39.43 29.55,41.23 arc(29.39,42.05) 28.92,42.75 28.89,42.78 arc(28.43,43.47) 28.26,44.3 28.26,46.89 ; 28.26,46.89 28.26,48.69 arc(28.31,48.91) 28.44,49.11 28.71,49.38 J1.3 28.71,50.76 28.43,51.05 arc(28.3,51.24) 28.25,51.47 28.25,59.85 arc(28.18,60.19) 27.99,60.49 27.98,60.49 arc(27.78,60.79) 27.71,61.13 27.71,79.67 arc(27.8,80.11) 28.05,80.49 28.06,80.49 arc(28.43,80.74) 28.87,80.83 38.46,80.83 arc(39.13,80.96) 39.7,81.34 39.83,81.47 arc(40.2,82.04) 40.34,82.71 40.34,84.05 arc(40.41,84.39) 40.6,84.69 40.62,84.71 arc(40.92,84.9) 41.26,84.97 51.48,84.97 arc(51.73,84.92) 51.94,84.78 52.1,84.62 J3.3 53.5,84.62 53.61,84.73 arc(53.82,84.87) 54.07,84.92 57.14,84.92 arc(57.68,84.82) 58.13,84.51 58.16,84.48 arc(58.61,84.18) 59.15,84.07 100.41,84.07 arc(100.98,84.19) 101.47,84.51 101.49,84.53 arc(101.98,84.86) 102.55,84.97 108.56,84.97 arc(108.8,84.92) 109.02,84.78 109.18,84.62 J5.3 110.58,84.62 110.69,84.73 arc(110.9,84.87) 111.14,84.92 114.22,84.92 arc(114.77,84.81) 115.24,84.5 115.25,84.5 arc(115.72,84.18) 116.27,84.07 138.63,84.07 arc(139.21,84.19) 139.69,84.51 139.72,84.53 arc(140.2,84.86) 140.78,84.97 146.78,84.97 arc(147.03,84.92) 147.24,84.78 147.4,84.62 J6.3 148.8,84.62 148.91,84.73 arc(149.12,84.87) 149.37,84.92 152.56,84.92 arc(153.29,84.78) 153.91,84.37 153.92,84.35 arc(154.53,83.94) 155.26,83.8 242.53,83.8 arc(243.08,83.91) 243.55,84.22 243.67,84.35 arc(243.99,84.82) 244.1,85.37 244.1,85.58 arc(244.15,85.85) 244.3,86.08 244.32,86.09 arc(244.55,86.24) 244.81,86.3 247.46,86.3 arc(247.7,86.25) 247.92,86.11 248.18,85.85 J4.2 ; 28.26,46.89 arc(28.31,47.11) 28.44,47.31 28.65,47.52 ESD1.1
/~{USB_BOOT}: length 13.3
  Bottom w0.4: R2.1 99.01,25.18 arc(98.76,25.23) 98.55,25.37 98.54,25.38 arc(98.33,25.52) 98.08,25.57 89.81,25.57 arc(89.52,25.52) 89.28,25.35 89.27,25.34 arc(89.11,25.1) 89.05,24.81 SW1.2
Col0: length 209.5
  Top w0.2: MX59.1 7.1,19.08 7.1,22.3 arc(7.19,22.74) 7.44,23.11 7.46,23.14 arc(7.84,23.38) 8.28,23.47 10.9,23.47 arc(11.55,23.6) 12.1,23.97 12.1,23.97 arc(12.65,24.34) 13.3,24.47 16.44,24.47 arc(16.96,24.58) 17.4,24.87 17.4,24.88 arc(17.7,25.31) 17.8,25.83 17.8,36.96 MX45.1 17.8,38.3 17.8,42.8 arc(17.71,43.24) 17.46,43.61 17.44,43.64 arc(17.06,43.88) 16.62,43.97 14.28,43.97 arc(13.84,44.06) 13.46,44.31 13.44,44.34 arc(13.19,44.71) 13.1,45.15 13.1,55.95 MX31.1 13.1,57.41 13.1,60.29 arc(12.79,61.84) 11.91,63.16 11.89,63.19 arc(11.01,64.5) 10.7,66.05 10.7,75.01 MX16.1 10.73,76.48 10.73,80.17 arc(10.65,80.61) 10.4,80.99 10.38,81 arc(10.01,81.25) 9.57,81.34 6.96,81.34 arc(6.58,81.42) 6.25,81.63 6.23,81.66 arc(6.01,81.98) 5.93,82.36 5.93,94.07 MX1.1 ; v1(36.25,43.37) 35.75,43.87 arc(34.61,44.63) 33.28,44.9 24.47,44.9 arc(23.14,44.63) 22,43.87 v1(21.5,43.37)
  Bottom w0.2: v1(21.5,43.37) 21.19,43.68 arc(20.7,44.01) 20.13,44.12 18.72,44.12 arc(18.38,44.05) 18.09,43.86 18.06,43.84 arc(17.87,43.54) 17.8,43.2 17.8,38.3 MX45.1 ; v1(36.25,43.37) 36.56,43.68 arc(37.05,44.01) 37.62,44.12 97.63,44.12 arc(98.3,43.99) 98.86,43.61 98.89,43.58 arc(99.27,43.02) 99.4,42.35 99.4,29.33 arc(99.48,28.91) 99.72,28.55 99.78,28.49 arc(100.13,28.26) 100.56,28.17 102.51,28.17 arc(103.1,28.05) 103.6,27.72 103.73,27.59 arc(104.07,27.09) 104.18,26.5 U3.5
